# Altium PCB Dahlia Carrier Board.PcbDoc (part 2 of 10)
Units mm, origin at the board's own origin, x right, y up, seen from the top; angles counter-clockwise.
Board outline 120 x 120 mm, 6 copper layers (Top Layer, GND, Layer 1, Layer 2, GND2, Bottom Layer), stack 1.558 mm thick; 879 components, 677 nets, 3194 pads, 1445 vias.
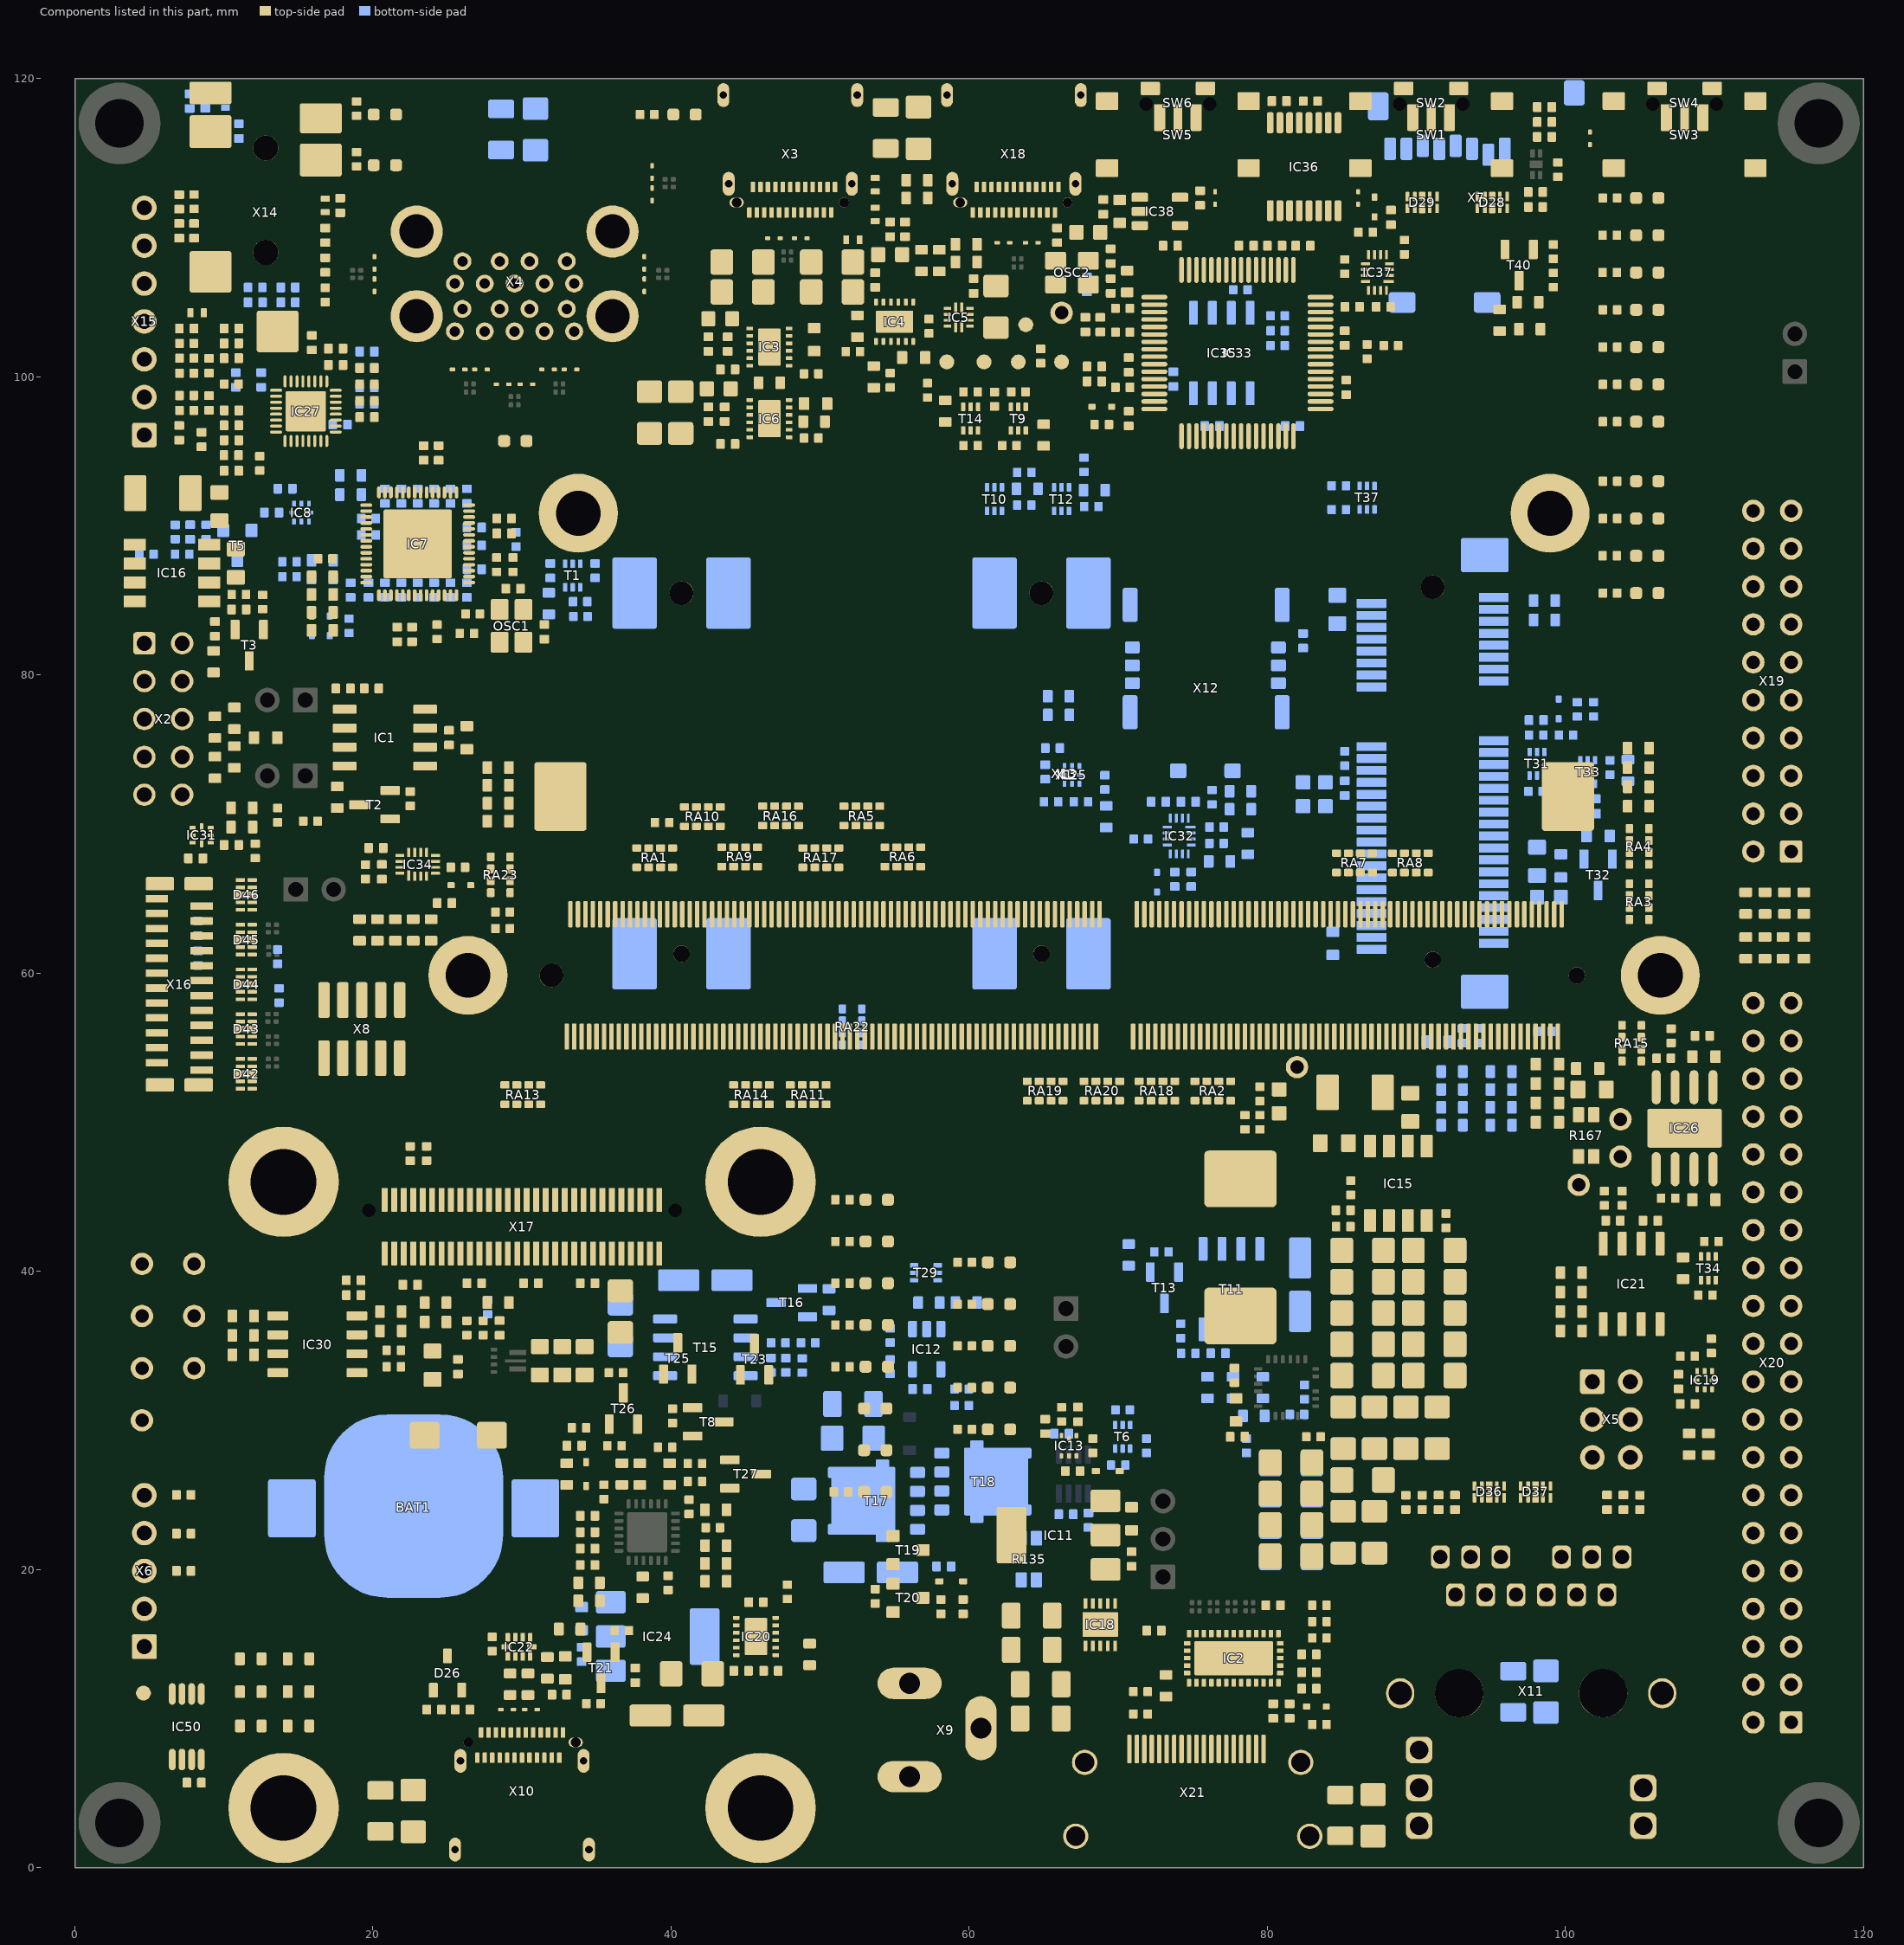
[diagram p6: the components of this part, seen from the top]

## Components (designator, comment, footprint, x,y, rotation, side; value= is the part's Value field where it differs from the comment) (continued)
R38 "1K" RESC1005X40N 29.4,87.4 r90 top locked
R39 "1K" RESC1005X40N 28.3,87.4 r90 top locked
R40 "10K" RESC1005X40N 14.4,87.6 r180 bottom locked
R41 "10K" RESC1005X40N 14.4,86.6 r180 bottom locked
R42 "0R" T_RESC0603X30N 16.6,87.7 r0 bottom locked
R43 "100K" RESC1005X40N 22.5,71.7 r90 top locked
R44 "470R" T_RESC0603X30N 33,26.4 r270 top locked
R45 "0R" T_RESC0603X30N 16.6,86.5 r0 bottom locked
R46 "200K" T_RESC0603X30N 16.6,83 r0 top locked
R47 "200K" T_RESC0603X30N 16.6,86.6 r0 top locked
R48 "1K" T_RESC0603X30N 36.7,26.4 r90 top locked
R49 "200K" T_RESC0603X30N 16.6,84.2 r0 top locked
R50 "200K" T_RESC0603X30N 16.6,85.4 r0 top locked
R51 "12K" RESC1005X40N 26.7,84.1 r180 top locked
R52 "1K" RESC1005X40N 24.3,82.9 r90 top locked
R53 "10R" RESC1005X40N 26.3,82.8 r180 top locked
R54 "10K" T_RESC0603X30N 18.5,92.1 r0 bottom locked
R55 "10K" T_RESC0603X30N 18.5,93.4 r0 bottom locked
R56 "0R" T_RESC0603X30N 9.3,80.9 r270 top locked
R57 "100R" T_RESC0603X30N 9.4,76.5 r270 top locked
R58 "10K" RESC1005X40N 11,85.4 r180 top locked
R59 "10K" RESC1005X40N 12.6,84.9 r90 top locked
R60 "0R" T_RESC0603X30N 9.4,73.8 r270 top locked
R61 "0R" T_RESC0603X30N 92.4,53.4 r180 bottom locked
R62 "1K" RESC1005X40N 29.6,89.1 r270 bottom locked
R63 "10K" RESC1005X40N 8.8,89.6 r90 bottom locked
R64 "0R" T_RESC0603X30N 92.4,52.2 r180 bottom locked
R65 "15K" RESC1005X40N 49.4,95.9 r180 top locked value=15KR
R66 "100K" RESC1005X40N 99.2,108.4 r270 top locked
R67 "0R" T_RESC0603X30N 59.8,37.9 r0 bottom locked
R68 "0R" T_RESC0603X30N 77.7,32.2 r270 bottom locked
R69 "0R" T_RESC0603X30N 76,32.2 r90 bottom locked
R70 "330K" RESC1005X40N 83.1,28.9 r0 top locked value=330KR
R71 "47K" RESC1005X40N 82.5,31.9 r90 bottom locked
R72 "10K" RESC1005X40N 54.7,35.7 r270 bottom locked
R73 "100K" RESC1005X40N 54.7,33.6 r270 bottom locked
R74 "100K" RESC1005X40N 59.5,31 r180 bottom locked
R75 "15K" RESC1005X40N 82,30.4 r0 bottom locked value=15KR
R76 "1K" RESC1005X40N 59.5,32.1 r0 bottom locked
R77 "2.2K" RESC1005X40N 51.5,39.2 r0 top locked value=2.2KR
R78 "100K" RESC1005X40N 71.9,28.3 r90 bottom locked
R79 "10K" RESC1005X40N 78.6,28.3 r90 bottom locked
R80 "100K" RESC1005X40N 70,27 r0 bottom locked
R81 "2.2K" RESC1005X40N 51.5,42 r0 top locked value=2.2KR
R82 "261K" RESC1005X40N 68.3,28.3 r270 top locked
R83 "100K" T_RESC0603X30N 79.7,32.2 r270 bottom locked
R84 "100K" T_RESC0603X30N 79.1,30.3 r180 bottom locked
R85 "33K" RESC1005X40N 66.2,30.4 r270 top locked
R86 "1K" RESC1005X40N 51.4,25.2 r180 top locked
R87 "100K" RESC1005X40N 70.3,30.7 r0 bottom locked
R88 "22R" RESC1005X40N 28.7,64.1 r180 top locked
R89 "0R" T_RESC0603X30N 50.6,38.1 r90 bottom locked
R90 "732K" RESC1005X40N 27.4,36.2 r90 top locked
R91 "100K" RESC1005X40N 26.3,36.2 r270 top locked
R92 "0R" T_RESC0603X30N 28.4,37.9 r180 top locked
R93 "100K" RESC1005X40N 27.7,37.6 r90 bottom locked
R94 "0R" T_RESC0603X30N 24.2,36.6 r0 top locked
R95 "0R" T_RESC0603X30N 24.2,37.9 r180 top locked
R96 "1M" RESC3216X75N 84.9,3.5 r270 top locked
R97 "2.2K" RESC1005X40N 59.7,29.4 r180 top locked value=2.2KR
R98 "15K" RESC1005X40N 49.4,100.2 r180 top locked value=15KR
R99 "300K" RESC1005X40N 85.1,43 r180 top locked
R100 "150K" RESC1005X40N 85.6,45.6 r270 top locked value=150KR
R101 "0R" T_RESC0603X30N 91.4,55.4 r180 bottom locked
R102 "1M" RESC1005X40N 63.3,99 r180 top locked
R103 "100K" RESC1005X40N 92,43.4 r90 top locked
R104 "22R" RESC1005X40N 39.4,70.1 r180 top locked
R105 "10K" RESC1005X40N 62.7,95.4 r180 top locked
R106 "150K" RESC1005X40N 6.734,89.594 r90 bottom locked value=150KR
R107 "150K" RESC1005X40N 7.2,88.1 r180 bottom locked value=150KR
R108 "100K" RESC1005X40N 40.1,30.3 r270 top locked
R109 "1M" RESC1005X40N 63.7,91.4 r0 bottom locked
R110 "100K" RESC1005X40N 4.8,88.1 r0 bottom locked
R111 "10K" T_RESC0603X30N 58,107.8 r90 top locked
R112 "10K" RESC1005X40N 63.7,93.6 r0 bottom locked
R113 "100K" RESC1005X40N 74.2,36 r90 bottom locked
R114 "100K" RESC1005X40N 74.7,34.5 r0 bottom locked
R115 "1M" RESC1005X40N 68.2,91.3 r0 bottom locked
R116 "0R" T_RESC0603X30N 70.7,41.1 r270 bottom locked
R117 "22R" RESC1005X40N 28.7,63 r180 top locked
R118 "100K" RESC1005X40N 72.9,41.3 r180 bottom locked
R119 "10K" RESC1005X40N 67.7,94.1 r90 bottom locked
R120 "1M" RESC1005X40N 60.1,99 r0 top locked
R121 "100K" RESC1005X40N 47.2,35.2 r180 bottom locked
R123 "100K" RESC1005X40N 47.7,33.7 r270 bottom locked
R124 "10K" RESC1005X40N 60.1,95.4 r0 top locked
R125 "100K" RESC1005X40N 49.2,35.2 r180 bottom locked
R126 "100K" RESC1005X40N 48.8,33.68 r270 bottom locked
R127 "1K" RESC1005X40N 103,112 r180 top locked
R128 "100K" RESC1005X40N 99.5,113.9 r270 top locked
R129 "0R" T_RESC0603X30N 20.3,62.9 r270 top locked
R130 "0R" T_RESC0603X30N 22.7,62.9 r270 top locked
R131 "0R" T_RESC0603X30N 21.5,62.9 r270 top locked
R132 "0R" T_RESC0603X30N 19.1,62.9 r270 top locked
R133 "0R" T_RESC0603X30N 23.9,62.9 r270 top locked
R134 "1K" RESC1005X40N 59.6,17.5 r270 top locked
R135 "0.01R" RESWSK1206 64,20.7 r270 bottom locked
R136 "22K" RESC3216X75N 52.2,31.1 r0 bottom locked
R137 "100K" RESC1005X40N 58.1,17.5 r90 top locked
R138 "300K" RESC3216X75N 64.2,16.9 r0 top locked
R139 "330R" RESC1005X40N 53.7,18.2 r90 top locked
R140 "412K" RESC3216X75N 64.2,14.6 r180 top locked
R141 "10K" RESC1005X40N 108.2,34.3 r180 top locked
R142 "10K" RESC1005X40N 109.8,35 r90 top locked
R143 "84.5K" RESC3216X75N 64.8,12.3 r180 top locked
R144 "15K" RESC3216X75N 64.8,10 r0 top locked
R145 "0R" T_RESC0603X30N 108.3,28.4 r90 top locked
R146 "0R" T_RESC0603X30N 109.6,28.4 r90 top locked
R147 "100K" RESC1005X40N 61.7,98.5 r90 top locked
R149 "0R" T_RESC0603X30N 100.4,38.6 r180 top locked
R150 "0R" T_RESC0603X30N 100.4,39.9 r180 top locked
R152 "100K" RESC1005X40N 34.8,11 r180 top locked
R153 "0R" T_RESC0603X30N 100.4,37.3 r180 top locked
R154 "2.2R" T_RESC0603X30N 31.7,13.4 r270 top locked
R155 "0R" T_RESC0603X30N 100.4,36 r180 top locked
R156 "10K" RESC1005X40N 28,15 r90 top locked
R157 "10R" RESC1005X40N 102.615,44.899 r270 top locked
R158 "10R" RESC1005X40N 103.815,44.899 r270 top locked
R159 "2.2K" RESC1005X40N 47.8,18.5 r270 top locked value=2.2KR
R160 "2.2R" T_RESC0603X30N 29.2,12.3 r270 top locked
R161 "2.2R" T_RESC0603X30N 30.4,12.3 r270 top locked
R162 "0R" T_RESC0603X30N 33.2,16 r0 top locked
R163 "100K" RESC1005X40N 36.7,15.9 r180 top locked
R164 "2.2K" RESC1005X40N 51.5,44.8 r180 top locked value=2.2KR
R165 "0R" T_RESC0603X30N 49.3,14.3 r90 top locked
R166 "100K" RESC1005X40N 36.3,33.2 r180 top locked
R167 "0.01R" RESWSK1206 101.4,49.1 r90 top locked
R169 "0R" T_RESC0603X30N 34.5,19.1 r0 top locked
R170 "0R" T_RESC0603X30N 38.1,18.8 r90 top locked
R171 "0R" T_RESC0603X30N 34.5,17.9 r180 top locked
R173 "2.2K" RESC1005X40N 51.5,36.4 r0 top locked value=2.2KR
R175 "100K" RESC1005X40N 33.82,29.5 r180 top locked
R176 "1K" T_RESC0603X30N 37.9,26.4 r270 top locked
R177 "0R" T_RESC0603X30N 43,19.2 r180 top locked
R178 "100K" RESC1005X40N 36.2,28.3 r0 top locked
R179 "1K" RESC1005X40N 98.6,56.1 r0 bottom locked
R180 "0R" T_RESC0603X30N 43,20.4 r180 top locked
R181 "100K" RESC1005X40N 41.2,24.2 r270 top locked
R182 "2.2K" RESC1005X40N 51.5,33.6 r0 top locked value=2.2KR
R183 "1K" T_RESC0603X30N 43,21.6 r0 top locked
R184 "100K" RESC1005X40N 41.6,27.1 r180 top locked
R185 "1K" RESC1005X40N 59.7,32.2 r0 top locked
R186 "2.2K" RESC1005X40N 59.7,35 r180 top locked value=2.2KR
R187 "100K" RESC1005X40N 35.5,25.2 r270 top locked
R188 "100K" RESC1005X40N 39.6,28.2 r180 top locked
R189 "100K" RESC1005X40N 42.8,22.8 r180 top locked
R190 "100K" RESC1005X40N 39.8,19.1 r270 top locked
R191 "1K" RESC1005X40N 59.7,37.8 r0 top locked
R192 "1K" RESC1005X40N 59.7,40.6 r0 top locked
R193 "1M" RESC3216X75N 20.5,3.8 r270 top locked
R194 "0R" T_RESC0603X30N 39.9,26.4 r90 top locked
R195 "0R" T_RESC0603X30N 43,24 r0 top locked
R196 "100K" RESC1005X40N 41.6,25.9 r180 top locked
R204 "330R" RESC1005X40N 105,24.5 r90 top locked
R205 "330R" RESC1005X40N 89.3,24.5 r90 top locked
R206 "330R" RESC1005X40N 90.4,24.5 r90 top locked
R207 "1M" RESC3216X75N 96.5,11.8 r90 bottom locked
R208 "10K" RESC1005X40N 67.5,71.5 r0 bottom locked
R209 "10K" RESC1005X40N 65.5,71.5 r180 bottom locked
R210 "0R" T_RESC0603X30N 66,77.325 r0 bottom locked
R211 "0R" T_RESC0603X30N 66,78.575 r0 bottom locked
R212 "47K" RESC1005X40N 85.2,74.4 r90 bottom locked
R213 "0R" T_RESC0603X30N 69.2,70.5 r90 bottom locked
R214 "100K" RESC1005X40N 69.1,72.8 r270 bottom locked
R217 "0R" T_RESC0603X30N 98.6,83.7 r180 bottom locked
R219 "22R" RESC1005X40N 98,72.2 r180 bottom locked
R220 "1K" RESC1005X40N 103,93 r0 top locked
R221 "1K" RESC1005X40N 103,90.5 r0 top locked
R222 "100K" RESC1005X40N 101.9,77.7 r90 bottom locked
R223 "10K" RESC1005X40N 100.8,77.7 r90 bottom locked
R224 "22R" RESC1005X40N 100.048,75.976 r180 bottom locked
R225 "1K" RESC1005X40N 102.98,88 r0 top locked
R226 "100K" RESC1005X40N 98.048,75.976 r0 bottom locked
R227 "1K" RESC1005X40N 103,85.5 r180 top locked
R228 "100K" RESC1005X40N 101.6,71.7 r0 bottom locked
R229 "100K" RESC1005X40N 100,71.2 r270 bottom locked
R230 "0R" T_RESC0603X30N 95.7,53.4 r0 bottom locked
R231 "0R" T_RESC0603X30N 95.7,52.2 r0 bottom locked
R232 "0R" T_RESC0603X30N 104.2,73.6 r90 bottom locked
R233 "100K" RESC1005X40N 103,73.8 r90 bottom locked
R234 "0R" T_RESC0603X30N 107.9,40.2 r270 top locked
R235 "10K" RESC1005X40N 106.9,44.9 r0 top locked
R236 "100K" RESC1005X40N 109.4,38.4 r180 top locked
R237 "40.2K" RESC1005X40N 107.1,55.795 r90 top locked value=40.2KR
R238 "20K" RESC1005X40N 106.6,54.295 r0 top locked value=20KR
R239 "100K" RESC1005X40N 109.8,42 r180 top locked
R242 "20R" RESC1005X40N 16.8,105.5 r90 top locked
R243 "20R" RESC1005X40N 12.1,106 r0 bottom locked
R245 "1M" RESC1005X40N 84.8,91.1 r180 bottom locked
R247 "0R" T_RESC0603X30N 57.3,37.9 r0 bottom locked
R249 "2.2K" RESC1005X40N 9.4,117 r180 bottom locked value=2.2KR
R250 "5.6K" RESC1005X40N 7.5,98.75 r0 top locked value=5.6KR
R251 "10K" RESC1005X40N 12.4,94.2 r90 top locked
R252 "5.6K" RESC1005X40N 7.5,97.75 r0 top locked value=5.6KR
R253 "5.6K" RESC1005X40N 7.5,100.25 r0 top locked value=5.6KR
R254 "10K" RESC1005X40N 10.5,99.525 r0 top locked
R255 "5.6K" RESC1005X40N 7.5,101.25 r0 top locked value=5.6KR
R256 "20R" RESC1005X40N 8,111.75 r270 top locked
R257 "20R" RESC1005X40N 7.5,102.25 r0 top locked
R263 "1.8K" RESC1005X40N 21.4,34.7 r180 top locked
R264 "1.8K" RESC1005X40N 21.4,33.6 r180 top locked
R265 "0R" T_RESC0603X30N 21.2,37.3 r180 top locked
R266 "0R" T_RESC0603X30N 21.2,36 r180 top locked
R267 "0R" T_RESC0603X30N 11.3,37 r0 top locked
R268 "0R" T_RESC0603X30N 11.3,35.7 r0 top locked
R269 "0R" T_RESC0603X30N 11.3,34.4 r0 top locked
R270 "1.8K" RESC1005X40N 13.6,70.6 r90 top locked
R271 "1.8K" RESC1005X40N 12.1,68.2 r90 top locked
R272 "10K" RESC1005X40N 13.7,58.5 r270 bottom locked
R273 "10K" RESC1005X40N 13.6,61.1 r90 bottom locked
R274 "0R" T_RESC0603X30N 11.2,69.8 r0 top locked
R275 "0R" T_RESC0603X30N 11.2,71.1 r0 top locked
R278 "0R" T_RESC0603X30N 78.2,72.2 r0 bottom locked
R279 "0R" T_RESC0603X30N 78.2,71 r0 bottom locked
R280 "0R" T_RESC0603X30N 78.7,68.7 r270 bottom locked
R281 "0R" T_RESC0603X30N 76.8,67.5 r0 bottom locked
R282 "100K" RESC1005X40N 76.3,71.8 r90 bottom locked
R283 "100K" RESC1005X40N 76.6,69.8 r0 bottom locked
R284 "100K" RESC1005X40N 76.6,68.7 r0 bottom locked
R285 "100K" RESC1005X40N 71.52,69 r0 bottom locked
R287 "10K" RESC1005X40N 73.8,66.3 r90 bottom locked
R289 "1.8K" RESC1005X40N 22.5,47.9 r270 top locked
R290 "1.8K" RESC1005X40N 23.6,47.9 r270 top locked
R291 "0R" T_RESC0603X30N 95.7,51 r180 bottom locked
R292 "0R" T_RESC0603X30N 95.7,49.8 r180 bottom locked
R293 "0R" T_RESC0603X30N 65,96.1 r90 top locked
R294 "0R" T_RESC0603X30N 63.9,92.5 r180 bottom locked
R295 "0R" T_RESC0603X30N 68.4,92.4 r180 bottom locked
R296 "0R" T_RESC0603X30N 58.4,97.7 r270 top locked
R297 "5.1K" T_RESC0603X30N 56.5,113.2 r0 top locked
R298 "5.1K" T_RESC0603X30N 56.5,112 r0 top locked
R300 "100K" RESC1005X40N 19.5,66.8 r90 top locked
R301 "10K" RESC1005X40N 84.8,92.7 r180 bottom locked
R302 "10K" RESC1005X40N 68.9,96.8 r180 top locked
R303 "1K" RESC1005X40N 103,99.5 r180 top locked
R306 "12K" RESC1005X40N 70.3,103 r0 top locked
R307 "10K" RESC1005X40N 80.7,104.1 r0 bottom locked
R308 "10K" RESC1005X40N 80.7,103.1 r0 bottom locked
R309 "10K" RESC1005X40N 80.7,102.1 r0 bottom locked
R310 "2.2K" RESC1005X40N 78.2,105.85 r180 bottom locked value=2.2KR
R311 "10K" RESC1005X40N 25.7,67.1 r180 top locked
R314 "1MR" T_RESC0603X30N 70.6,106.4 r90 top locked value=1M
R315 "1K" RESC1005X40N 103,102 r180 top locked
R316 "22R" RESC1005X40N 70.3,104.6 r180 top locked
R317 "1K" RESC1005X40N 103,104.5 r180 top locked
R318 "10K" RESC1005X40N 82.9,118.5 r0 top locked
R319 "1K" RESC1005X40N 102.98,107 r180 top locked
R320 "1K" RESC1005X40N 102.98,109.5 r180 top locked
R321 "100K" RESC1005X40N 86.7,101.7 r270 top locked
R322 "100K" RESC1005X40N 85.2,107.4 r90 top locked
R323 "100K" RESC1005X40N 88.3,102.1 r0 top locked
R324 "100K" RESC1005X40N 89.2,108.7 r90 top locked
R325 "0R" T_RESC0603X30N 114.7,64.7 r90 top locked
R326 "0R" T_RESC0603X30N 116,64.7 r90 top locked
R327 "0R" T_RESC0603X30N 112.1,64.7 r90 top locked
R328 "0R" T_RESC0603X30N 113.4,64.7 r90 top locked
R330 "10K" RESC1005X40N 86.6,109.7 r0 top locked
R331 "1K" RESC1005X40N 103,97 r180 top locked
R333 "0R" T_RESC0603X30N 112.1,61.7 r90 top locked
R334 "0R" T_RESC0603X30N 113.4,61.7 r90 top locked
R335 "0R" T_RESC0603X30N 114.6,61.7 r90 top locked
R336 "0R" T_RESC0603X30N 116,61.7 r90 top locked
R339 "0R" T_RESC0603X30N 104.9,75.1 r180 top locked
R340 "0R" T_RESC0603X30N 104.9,73.8 r180 top locked
R341 "0R" T_RESC0603X30N 104.9,72.5 r180 top locked
R342 "0R" T_RESC0603X30N 104.9,71.2 r180 top locked
R343 "0R" T_RESC0603X30N 28.4,73.8 r180 top locked
R344 "0R" T_RESC0603X30N 28.4,71.4 r180 top locked
R345 "0R" T_RESC0603X30N 28.4,72.6 r180 top locked
R346 "0R" T_RESC0603X30N 28.4,70.2 r180 top locked
R347 "10K" RESC1005X40N 83.5,16.5 r180 top locked
R348 "10K" RESC1005X40N 83.5,17.6 r180 top locked
R350 "100K" RESC1005X40N 57.2,99.1 r90 top locked
R351 "0R" T_RESC0603X30N 97.6,103.2 r0 top locked
R352 "100K" RESC1005X40N 99.2,106.5 r270 top locked
R353 "0R" T_RESC0603X30N 95.6,103.8 r270 top locked
R354 "0R" T_RESC0603X30N 97.5,105 r180 top locked
R406 "0R" T_RESC0603X30N 11.8,9.5 r0 top locked
R407 "0R" T_RESC0603X30N 15,9.5 r180 top locked
R408 "0R" T_RESC0603X30N 11.8,11.8 r0 top locked
R409 "0R" T_RESC0603X30N 15,11.8 r180 top locked
R410 "0R" T_RESC0603X30N 11.8,14 r0 top locked
R411 "0R" T_RESC0603X30N 15,14 r180 top locked
RA1 "22R" T_RESISTOR_ARRAY_X4 37.7,67.1 r90 top locked
RA2 "22R" T_RESISTOR_ARRAY_X4 77.55,52.75 r270 top locked
RA3 "22R" T_RESISTOR_ARRAY_X4 104.3,66 r0 top locked
RA4 "22R" T_RESISTOR_ARRAY_X4 104.3,69.7 r0 top locked
RA5 "22R" T_RESISTOR_ARRAY_X4 51.6,69.9 r90 top locked
RA6 "22R" T_RESISTOR_ARRAY_X4 54.35,67.15 r90 top locked
RA7 "22R" T_RESISTOR_ARRAY_X4 84.65,66.75 r90 top locked
RA8 "22R" T_RESISTOR_ARRAY_X4 88.4,66.75 r90 top locked
RA9 "22R" T_RESISTOR_ARRAY_X4 43.4,67.15 r90 top locked
RA10 "22R" T_RESISTOR_ARRAY_X4 40.9,69.85 r90 top locked
RA11 "22R" T_RESISTOR_ARRAY_X4 50.4,52.5 r270 top locked
RA13 "22R" T_RESISTOR_ARRAY_X4 31.25,52.5 r270 top locked
RA14 "22R" T_RESISTOR_ARRAY_X4 46.6,52.5 r270 top locked
RA15 "22R" T_RESISTOR_ARRAY_X4 103.8,56.5 r0 top locked
RA16 "22R" T_RESISTOR_ARRAY_X4 46.15,69.9 r90 top locked
RA17 "22R" T_RESISTOR_ARRAY_X4 48.85,67.1 r90 top locked
RA18 "22R" T_RESISTOR_ARRAY_X4 73.8,52.75 r270 top locked
RA19 "22R" T_RESISTOR_ARRAY_X4 66.3,52.75 r270 top locked
RA20 "22R" T_RESISTOR_ARRAY_X4 70.1,52.75 r270 top locked
RA22 "22R" T_RESISTOR_ARRAY_X4 52.8,57.6 r180 bottom locked
RA23 "22R" T_RESISTOR_ARRAY_X4 29.2,65.4 r180 top locked
SW1 "TD-03XB" T_WMF_TD-03XB 91,116.25 r0 top locked
SW2 "TL3340AF160QG" "T_E-SWITCH- TL3340AF160QG" 91,118.3 r180 top locked
SW3 "TD-03XB" T_WMF_TD-03XB 108,116.25 r0 top locked
SW4 "TL3340AF160QG" "T_E-SWITCH- TL3340AF160QG" 108,118.3 r180 top locked
SW5 "TD-03XB" T_WMF_TD-03XB 74,116.25 r0 top locked
SW6 "TL3340AF160QG" "T_E-SWITCH- TL3340AF160QG" 74,118.3 r180 top locked
T1 "NTZD3155CT1G" SOTFL50P160X60-6N 33.4,86.675 r90 bottom locked
T2 "BSS138-7-F" SOT95P237X112-3N 20.1,71.3 r180 top locked
T3 "IRLML6401PbF" SOT95P237X112-3N 11.7,82 r270 top locked
T5 "MMBT5551LT1G" ONSC-SOT-23-3-318-08_V 10.9,88.7 r270 bottom locked
T6 "NTZD3155CT1G" SOTFL50P160X60-6N 70.3,28.9 r270 bottom locked
T8 "BSS138-7-F" SOT95P237X112-3N 42.5,29.9 r0 top locked
T9 "T-ONSemi-NTZD3154NT1G" SOTFL50P160X60-6N 63.3,97.2 r90 top locked
T10 "T-ONSemi-NTZD3154NT1G" SOTFL50P160X60-6N 61.7,91.8 r270 bottom locked
T11 "DMP2022LSS-13" SOIC127P600X173-8N 77.6,38.8 r90 bottom locked
T12 "T-ONSemi-NTZD3154NT1G" SOTFL50P160X60-6N 66.2,91.8 r270 bottom locked
T13 "BSS138-7-F" SOT95P237X112-3N 73.1,38.9 r270 bottom locked
T14 "T-ONSemi-NTZD3154NT1G" SOTFL50P160X60-6N 60.1,97.2 r90 top locked
T15 "DMP4015SSS-13" SOIC127P600X173-8N 42.3,34.9 r180 bottom locked
T16 "BSS138-7-F" SOT95P237X112-3N 48.1,37.9 r180 bottom locked
T17 "NTMFS5C670NLT1G" T_ONSEMI_NTMFS5C670NLT1G 56.535,26.505 r270 bottom locked
T18 "NTMFS5C670NLT1G" T_ONSEMI_NTMFS5C670NLT1G 58.165,23.995 r90 bottom locked
T19 "MMBT5551LT1G" ONSC-SOT-23-3-318-08_V 55.9,21.3 r0 top locked
T20 "MMBT5551LT1G" ONSC-SOT-23-3-318-08_V 55.9,18.094 r0 top locked
T21 "BSS138-7-F" SOT95P237X112-3N 35.3,13.4 r270 top locked
T23 "BSS138-7-F" SOT95P237X112-3N 45.6,34.1 r90 top locked
T25 "BSS138-7-F" SOT95P237X112-3N 40.45,34.15 r90 top locked
T26 "BSS138-7-F" SOT95P237X112-3N 36.8,30.8 r90 top locked
T27 "BSS138-7-F" SOT95P237X112-3N 45,26.4 r0 top locked
T29 "T-ONSemi-NTZD3154NT1G" SOTFL50P160X60-6N 57.1,39.9 r180 bottom locked
T31 "T-ONSemi-NTZD3154NT1G" SOTFL50P160X60-6N 98.1,74.05 r270 bottom locked
T32 "IRLML6401PbF" SOT95P237X112-3N 102.2,66.6 r270 bottom locked
T33 "T-ONSemi-NTZD3154NT1G" SOTFL50P160X60-6N 101.5,73.5 r90 bottom locked
T34 "T-ONSemi-NTZD3154NT1G" SOTFL50P160X60-6N 109.6,40.2 r270 top locked
T37 "T-ONSemi-NTZD3154NT1G" SOTFL50P160X60-6N 86.7,91.9 r270 bottom locked
T40 "BSS138-7-F" SOT95P237X112-3N 96.9,107.5 r270 top locked
TP1 "Testpin-SMD" T_TP-SMD 4.6,11.7 r180 top locked
TP4 "Testpin-THT" T_TP-THT 4.5,40.5 r180 top locked
TP5 "Testpin-THT" T_TP-THT 8,40.5 r0 top locked
TP6 "Testpin-THT" T_TP-THT 8,37 r180 top locked
TP7 "Testpin-THT" T_TP-THT 8,33.5 r180 top locked
TP8 "Testpin-THT" T_TP-THT 4.5,37 r270 top locked
TP10 "Testpin-THT" T_TP-THT 103.7,47.7 r0 top locked
TP11 "Testpin-THT" T_TP-THT 103.7,50.2 r90 top locked
TP12 "Testpin-THT" T_TP-THT 100.9,45.8 r270 top locked
TP13 "Testpin-SMD" T_TP-SMD 66.2,101 r180 top locked
TP14 "Testpin-SMD" T_TP-SMD 58.5,101 r180 top locked
TP15 "Testpin-SMD" T_TP-SMD 63.3,101 r180 top locked
TP16 "Testpin-SMD" T_TP-SMD 61,101 r180 top locked
TP17 "Testpin-SMD" T_TP-SMD 63.8,103.5 r180 top locked
TP18 "Testpin-THT" T_TP-THT 82,53.7 r90 top locked
TP19 "Testpin-THT" T_TP-THT 4.5,30 r180 top locked
TP20 "Testpin-THT" T_TP-THT 4.5,33.5 r0 top locked
TP21 "Testpin-THT" T_TP-THT 66.2,104.3 r90 top locked
X1 "2309409-2" CON-TE-2309409-2-SOLDERABLE-STANDOFFS 66.375,63.8 r180 top locked
X2 "Male 2.54mm" CON-HEADER-2X5-MALE-2.54MM 4.66,82.13 r270 top locked
X3 "12401598E4#2A" CON-AMPHENOL-12401598E4#2A 48,114.97 r180 top locked
X4 "GSB311231HR" "T_AMPHENOL_ GSB311231HR" 29.5,121.536 r180 top locked
X5 "TSW-103-01-G-D" T_SAMTEC_SSW-103-01-G-D 101.815,32.6 r270 top locked
X6 "826936-5" T_TYCO_826936-5 4.66,14.82 r90 top locked
X7 "MicroSD Holder" T_WURTH_693071010811 87,104.6 r180 bottom locked
X8 "FTSH-105-01-L-DV-K" T_SAMTEC_FTSH-105-01-L-DV 19.25,56.25 r0 top locked
X9 "RAPC722X" T_RAPC722X 56,-1.384 r0 top locked
X10 "12401598E4#2A" CON-AMPHENOL-12401598E4#2A 30,5.136 r0 top locked
X11 "LPJK7436A98NL" CON-LINK-PP-LPJK7436A98NL 106.5,-1.504 r180 top locked
X12 "1042240820" T_MOLEX_1042240820 80.75,81.85 r0 bottom locked
X13 "67910-5700" CON-MOLEX-67910-5700-HALF/FULL 91.1,85.9 r270 bottom locked
X14 "SJ-43516-SMT" T_CI_SJ-43516-SMT 12.8,120.05 r270 top locked
X15 "TSW-107-07-G-S" T_SAMTEC_TSW-107-07-G-S 4.66,96.1 r90 top locked
X16 "FH12-24S-0.5SVA(54)" T_HIROSE_FH12-24S-0.5SVA(54) 7,59.25 r90 top locked
X17 "LSS-130-03-L-DV-A-K-TR" CON-SAMTEC-LSS-130-03-L-DV-A-CARRIER 30,43 r0 top locked
X18 "12401598E4#2A" CON-AMPHENOL-12401598E4#2A 63,114.97 r180 top locked
X19 "TSW-110-07-G-D" T_SAMTEC_TSW-110-07-G-D 115.15,68.16 r90 top locked
X20 "TSW-120-07-G-D" T_SAMTEC_TSW-120-07-G-D 115.15,9.74 r90 top locked